# Altium PCB batt_ctrl_pcb_v3.2.PcbDoc
Units mm, origin at the board's own origin, x right, y up, seen from the top; angles counter-clockwise.
Board outline 70 x 60 mm, 2 copper layers (Top Layer, Bottom Layer); 126 components, 117 nets, 384 pads, 182 vias.
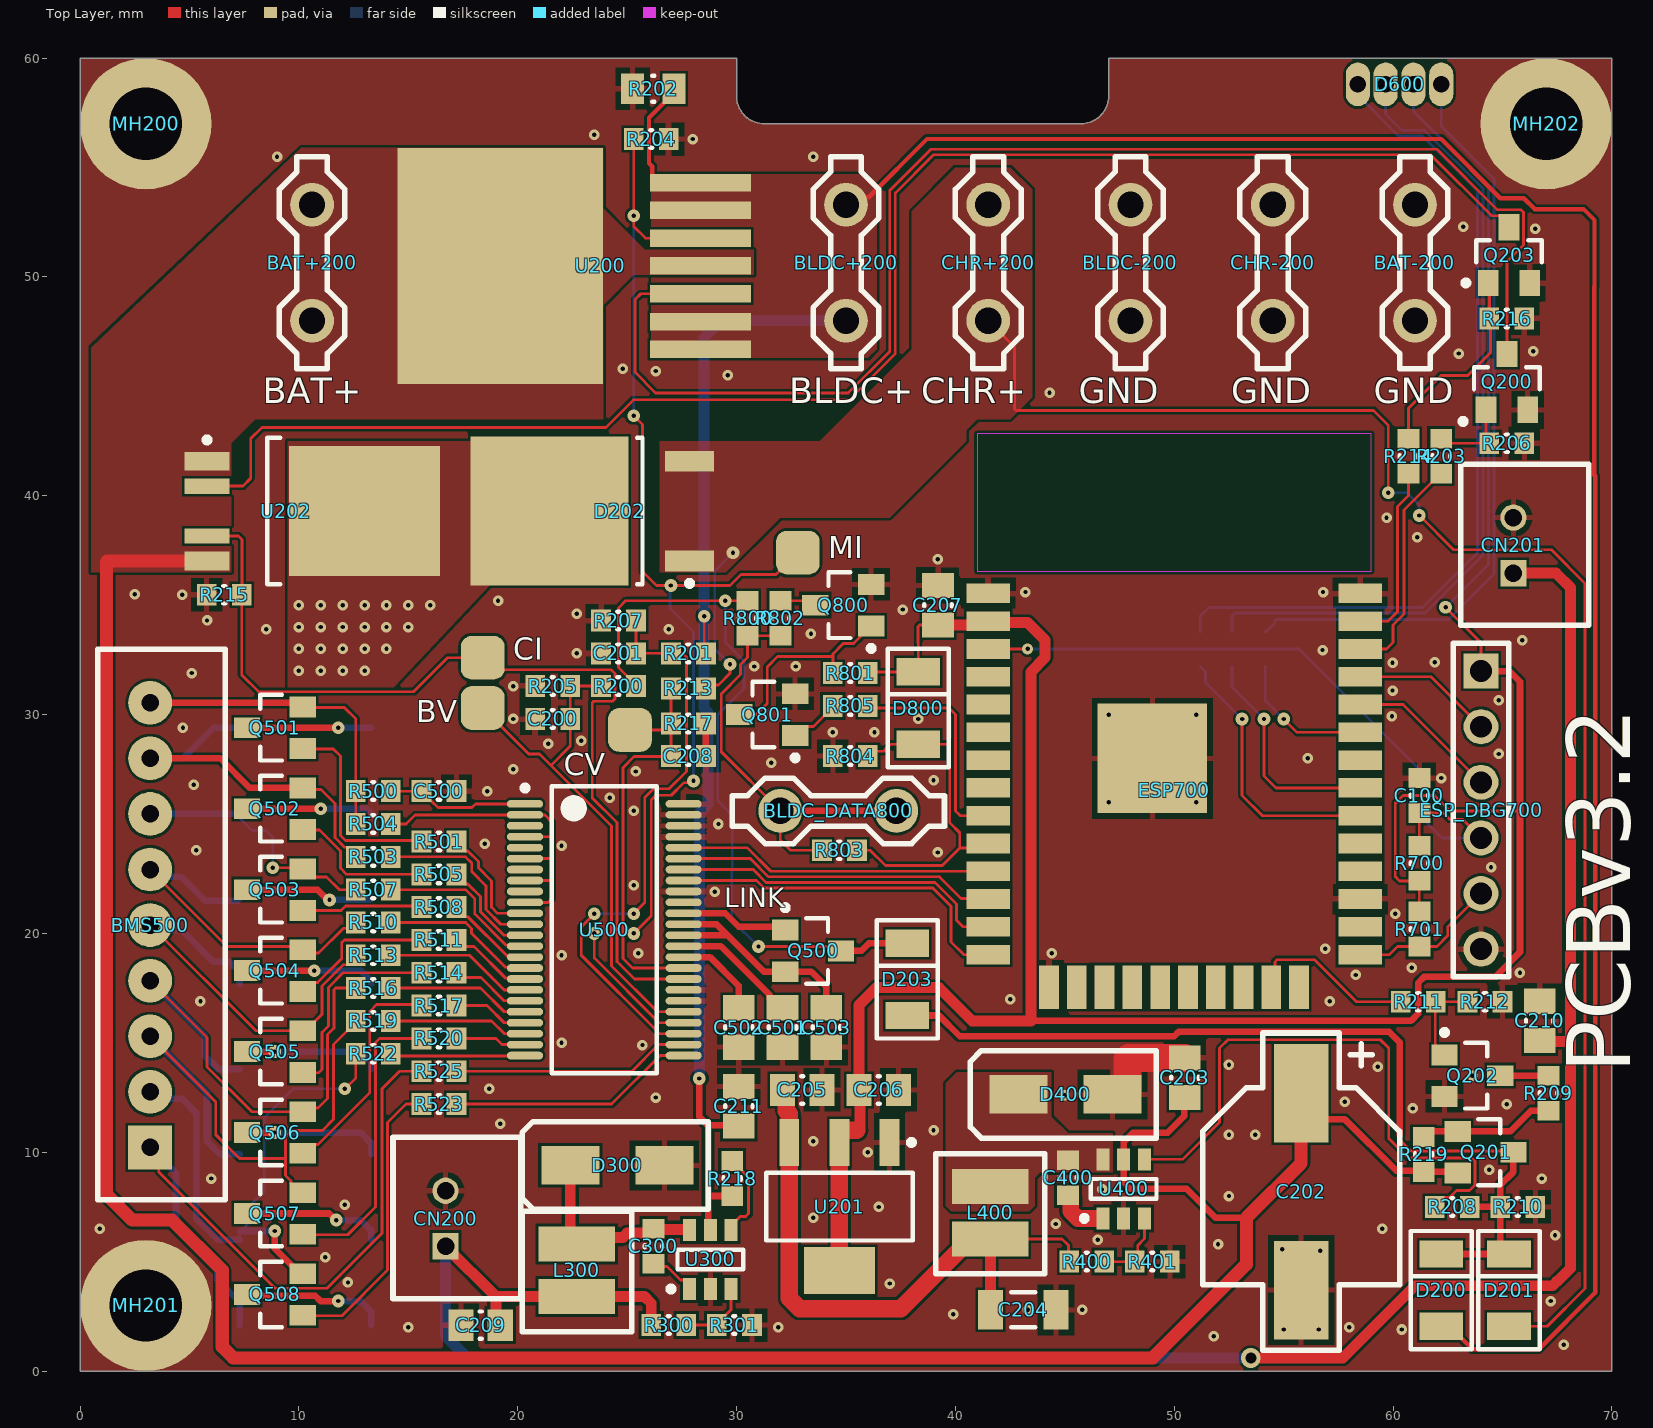
[diagram p0: Top Layer view]
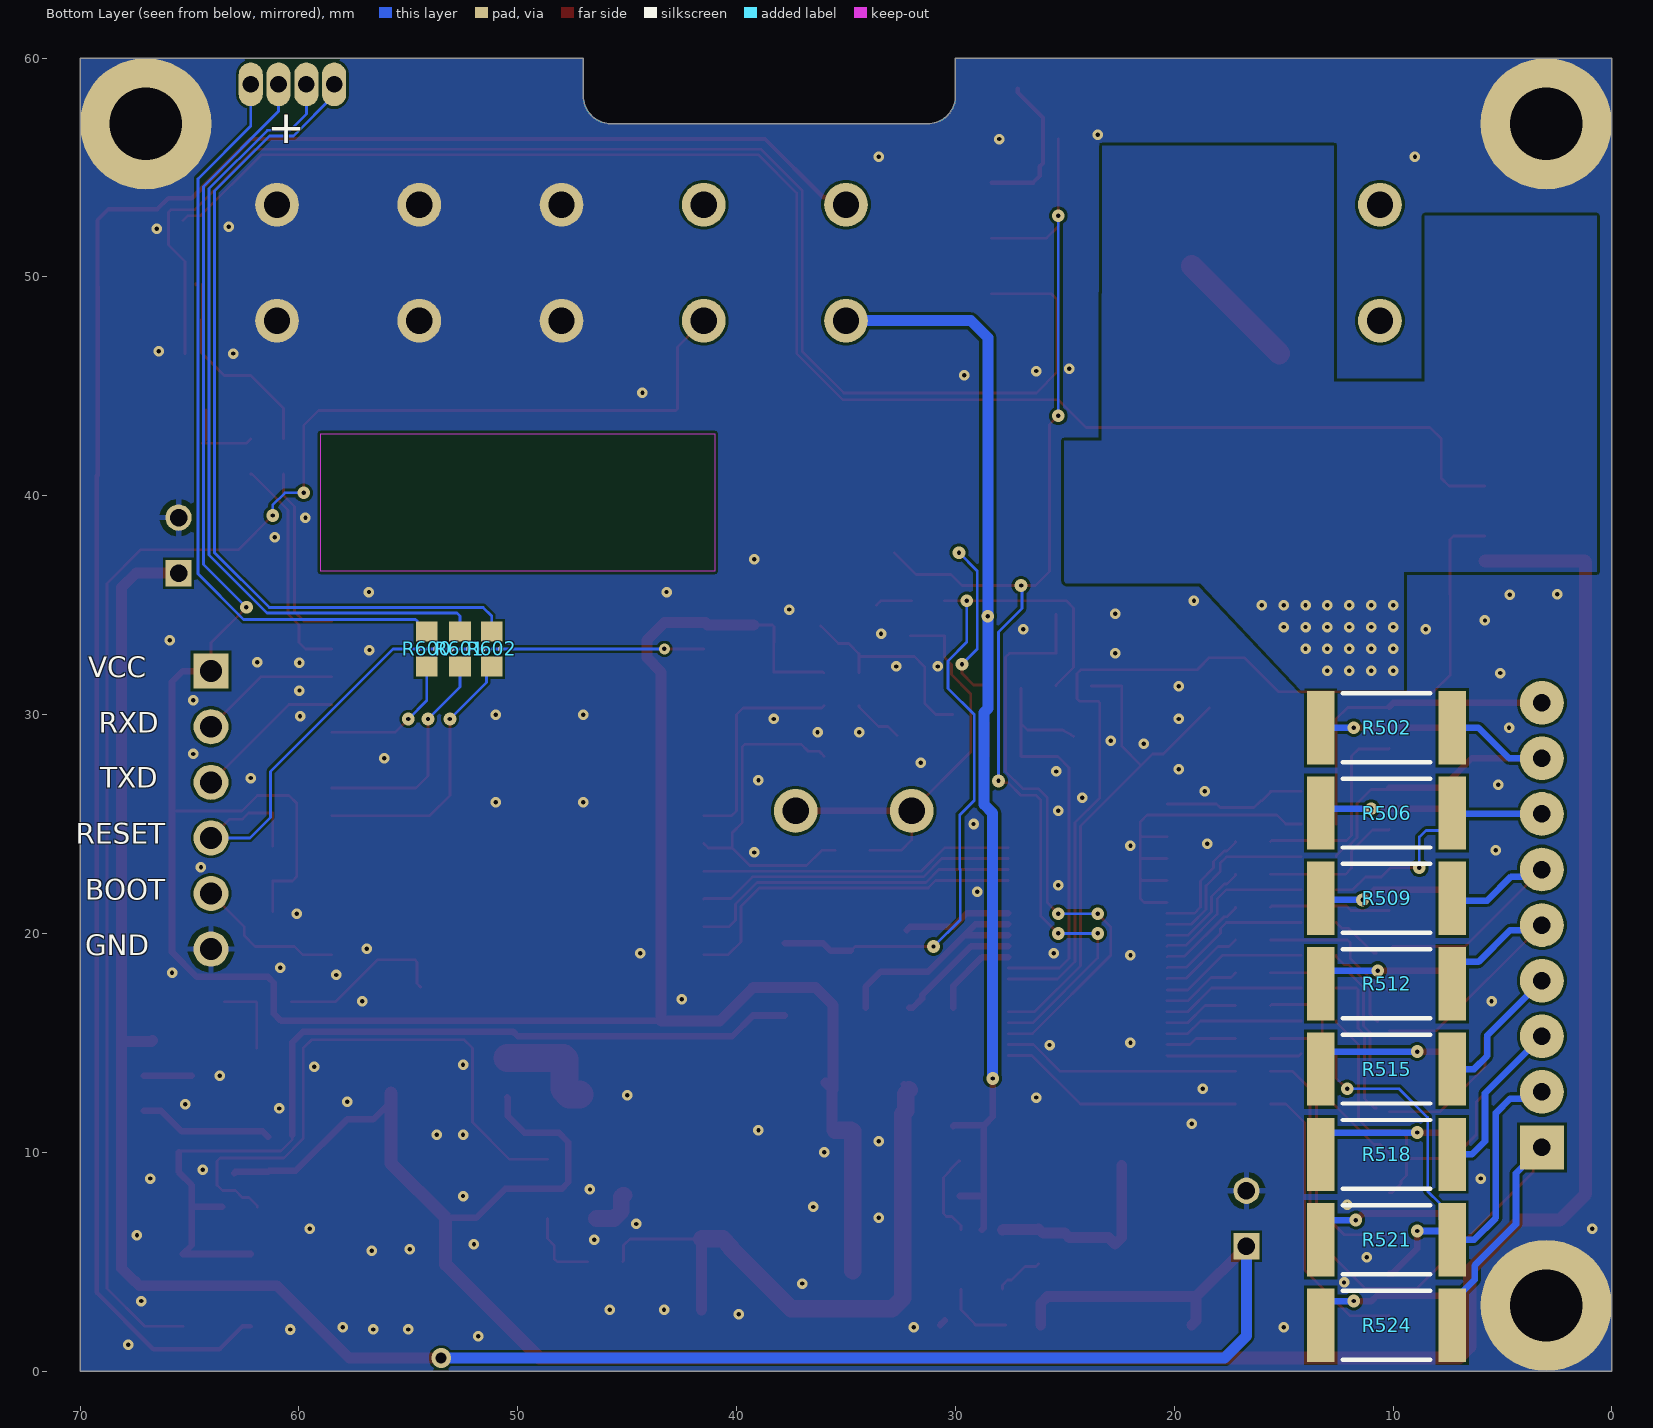
[diagram p1: Bottom Layer view, seen from below]

## Layer stack, top to bottom
Top Solder: solder mask 0.0102, Solder Resist, Dk 3.5
Top Layer: signal copper 0.0356
Dielectric 1: dielectric 0.32, FR-4, Dk 4.8
Bottom Layer: signal copper 0.0356
Bottom Solder: solder mask 0.0102, Solder Resist, Dk 3.5

## Board outline
0,0 0,60 30,60 30,58.27 ccw(c31.27,58.27) 31.27,57 45.73,57 ccw(c45.73,58.27) 47,58.27 47,60 70,60 70,0

## Design rules (kind name [scope] priority, off if disabled: settings)
Clearance [All] p1: gap=0.127 ignorepadtopadclearanceinfootprint=FALSE
DiffPairsRouting [All] p1: maxlimit=0.254 minlimit=0.127 mostfreqgap=0.254 toplayer_minwidth=0.127 toplayer_maxwidth=0.381 toplayer_prefwidth=0.381 bottomlayer_minwidth=0.127 bottomlayer_maxwidth=0.381 bottomlayer_prefwidth=0.381 maxuncoupledlength=12.7
HoleSize [All] p1: absolutevalues=TRUE maxlimit=6.3 minlimit=0.2 maxpercent=80.000 minpercent=20.000
HoleToHoleClearance [All] p1: gap=0.25 allowstackedmicrovias=TRUE
MinimumAnnularRing [All] p1: minimumring=0.13
MinimumSolderMaskSliver [All] p1: minsoldermaskwidth=0.05
PlaneClearance [All] p1: clearance=0.3
PlaneConnect Direct [IsVia] p1: planeconnectstyle=Direct reliefexpansion=0.508 reliefentries=4 reliefconductorwidth=0.254 reliefairgap=0.254
PlaneConnect [All] p2: planeconnectstyle=Relief reliefexpansion=0.508 reliefentries=4 reliefconductorwidth=0.254 reliefairgap=0.254
PolygonConnect DirectPolygonConnect [InNetClass('Direct') or IsVia or (CompParameterValue('ClassName')='DirectGND')] p1: connectstyle=Direct reliefconductorwidth=0.254 reliefentries=4 polygonreliefangle="90 Angle" airgapwidth=0.254
PolygonConnect Mainrule [All] p2: connectstyle=Relief reliefconductorwidth=0.254 reliefentries=4 polygonreliefangle="90 Angle" airgapwidth=0.254
RoutingVias [All] p1: holewidth=0.3 width=0.9 viastyle="Through Hole" minholewidth=0.2 minwidth=0.58 maxholewidth=6.3 maxwidth=8
SilkToSilkClearance [All] p1: silktosilkclearance=0.2
SilkToSolderMaskClearance [IsPad] p1: minsilkscreentomaskgap=0.15 clearancetoexposedcopper=TRUE
SolderMaskExpansion [All] p1: expansion=0.05 istentingtop=FALSE
UnRoutedNet [All] p1: checkbadconnections=TRUE
Width [All] p1: maxlimit=5 minlimit=0.127 preferedwidth=0.3
21 further rules are at their usual default settings.

## Classes and differential pairs
component class U_LTC6804-2_8S+TR: BMS500 C500 C501 C502 C503 Q500 Q501 Q502 Q503 Q504 Q505 Q506 Q507 Q508 R500 R501 R502 R503 R504 R505 R506 R507 R508 R509 R510 R511 R512 R513 R514 R515 R516 R517 R518 R519 R520 R521 R522 R523 R524 R525 U500
component class top_sheet: C100
component class Indication: D600 R600 R601 R602
net class HV: BATT_POS BLDC_POS CHR_POS CHR_SUP
component class interface: BLDC_DATA800 D800 Q800 Q801 R800 R801 R802 R803 R804 R805
channel class ME3116_5V: U_ME3116_5V1 U_ME3116_5V2
component class U_ME3116_5V1: C300 D300 L300 R300 R301 U300
component class Power: BAT+200 BAT-200 BLDC+200 BLDC-200 C200 C201 C202 C203 C204 C205 C206 C207 C208 C209 C210 C211 CHR+200 CHR-200 CN200 CN201 D200 D201 D202 D203 D? MH200 MH201 MH202 Q200 Q201 Q202 Q203 Q? R200 R201 R202 R203 R204 R205 R206 R207 R208 R209 R210 R211 R212 R213 R214 R215 R216 R217 R218 R219 R?1 U200 U201 U202
net class Direct: BATT_POS BLDC_POS CHR_POS CHR_SUP U_ME3116_5V1_BS U_ME3116_5V1_SW U_ME3116_5V2_BS U_ME3116_5V2_SW
component class U_ME3116_5V2: C400 D400 L400 R400 R401 U400
component class U_ESP32_WROOM2: ESP700 ESP_DBG700 R700 R701

## Components (designator, comment, footprint, x,y, rotation, side; value= is the part's Value field where it differs from the comment)
BAT+200 "Crimp 6.3 single PCB" "Crimp 6.3mm single PCB" 10,45.8 r0 top (schematic designator BAT+)
BAT-200 "Crimp 6.3 single PCB" "Crimp 6.3mm single PCB" 61.6,55.5 r180 top (schematic designator BAT-)
BLDC+200 "Crimp 6.3 single PCB" "Crimp 6.3mm single PCB" 34.4,45.8 r0 top (schematic designator BLDC+)
BLDC-200 "Crimp 6.3 single PCB" "Crimp 6.3mm single PCB" 48.6,55.5 r180 top (schematic designator BLDC-)
BLDC_DATA800 "Crimp 6.3 single PCB" "Crimp 6.3mm single PCB" 29.8,26.2 r270 top (schematic designator BLDC_DATA)
BMS500 "PIN HEADER 1x9" "XH2.54 9P" 3.2,10.22 r180 top (schematic designator BMS)
C100 "100n" CAPC0603(1608)55_N 61.2,26.3 r90 top
C200 "100n" CAPC0603(1608)55_N 21.6,29.8 r180 top
C201 "100n" CAPC0603(1608)55_N 24.6,32.8 r180 top
C202 "220uF 35V" "10X10.5 CAPACITOR" 55.8,12.7 r270 top
C203 "6u8" CAPC0805(2012)75_N 50.482,13.406 r270 top
C204 "100u" CAPC1206(3216)75_N 43.1,2.8 r0 top
C205 "6u8" CAPC0805(2012)75_N 33,12.85 r0 top
C206 "6u8" CAPC0805(2012)75_N 36.5,12.85 r0 top
C207 "6u8" CAPC0805(2012)75_N 39.2,35 r90 top
C208 "100n" CAPC0603(1608)55_N 27.8,28.1 r0 top
C209 "6u8" CAPC0805(2012)75_N 18.3,2.1 r180 top
C210 "6u8" CAPC0805(2012)75_N 66.7,16 r90 top
C211 "6u8" CAPC0805(2012)75_N 30.1,12.1 r90 top
C300 "100n" CAPC0603(1608)55_N 26.2,5.7 r90 top value=100p (schematic designator C1)
C400 "100n" CAPC0603(1608)55_N 45.148,8.834 r90 top value=100p (schematic designator C1)
C500 "100n" CAPC0603(1608)55_N 16.4,26.5 r0 top (schematic designator C1)
C501 "1u" CAPC0805(2012)75_N 32.1,15.7 r270 top (schematic designator C2)
C502 "1u" CAPC0805(2012)75_N 30.1,15.7 r270 top (schematic designator C3)
C503 "1u" CAPC0805(2012)75_N 34.1,15.7 r270 top (schematic designator C4)
CHR+200 "Crimp 6.3 single PCB" "Crimp 6.3mm single PCB" 40.9,45.8 r0 top (schematic designator CHR+)
CHR-200 "Crimp 6.3 single PCB" "Crimp 6.3mm single PCB" 55.1,55.5 r180 top (schematic designator CHR-)
CN200 "PIN HEADER 1x2" "XH2.54 2P" 16.7,5.7 r180 top
CN201 "PIN HEADER 1x2" "XH2.54 2P" 65.5,36.46 r180 top
D200 "1N4148" SOD80 62.2,3.7 r90 top
D201 "1N4148" SOD80 65.3,3.7 r90 top
D202 "45V 10A" DPAK 23.4,39.3 r180 top
D203 "1N4148" SOD80 37.8,17.9 r90 top
D300 "SS14" SMA 26.7,9.4 r180 top (schematic designator D1)
D400 "SS14" SMA 47.18,12.644 r180 top (schematic designator D1)
D600 "Generic RGB led" "RGB THROU HOLE 90 DEG" 62.2,58.8 r90 top locked (schematic designator D400)
D800 "1N4148" SOD80 38.3,30.3 r90 top (schematic designator D300)
ESP700 "ESP32" ESP32-WROOM 41.5,35.54 r0 top locked (schematic designator ESP1)
ESP_DBG700 "PIN HEADER 1x6" "PIN HEADER SINGLE 6" 64.018,31.984 r0 top locked (schematic designator ESP_DBG)
L300 "4u7" CD32 22.7,5.8 r270 top (schematic designator L1)
L400 "4u7" CD32 41.592,8.44 r270 top (schematic designator L1)
MH200 "Mounting Hole" MH_M3 3,57 r0 top
MH201 "Mounting Hole" MH_M3 3,3 r0 top
MH202 "Mounting Hole" MH_M3 67,57 r0 top
Q200 "MMBT3904" SOT23 65.2,45.2 r90 top
Q201 "MMBT3906" SOT23 64.225,10 r0 top
Q202 "MMBT3904" SOT23 63.625,13.5 r0 top
Q203 "MMBT3904" SOT23 65.3,51 r90 top
Q500 "MMBT3904" SOT23 33.5,19.2 r0 top (schematic designator Q9)
Q501 "BSS308PE" SOT23 8.9,29.4 r180 top (schematic designator Q8)
Q502 "BSS308PE" SOT23 8.9,25.7 r180 top (schematic designator Q7)
Q503 "BSS308PE" SOT23 8.9,22 r180 top (schematic designator Q6)
Q504 "BSS308PE" SOT23 8.9,18.3 r180 top (schematic designator Q5)
Q505 "BSS308PE" SOT23 8.9,14.6 r180 top (schematic designator Q4)
Q506 "BSS308PE" SOT23 8.9,10.9 r180 top (schematic designator Q3)
Q507 "BSS308PE" SOT23 8.9,7.2 r180 top (schematic designator Q2)
Q508 "BSS308PE" SOT23 8.9,3.5 r180 top (schematic designator Q1)
Q800 "MMBT3904" SOT23 34.875,35 r180 top (schematic designator Q300)
Q801 "MMBT3904" SOT23 31.4,30 r180 top (schematic designator Q301)
R200 "100k 1%" RESC0603(1608)_N 24.6,31.3 r0 top
R201 "100k 1%" RESC0603(1608)_N 27.8,32.8 r0 top
R202 "10k" RESC0805(2012)_N 26.2,58.6 r0 top
R203 "1k" RESC0603(1608)_N 62.2,41.8 r90 top
R204 "1k 1%" RESC0603(1608)_N 26.1,56.3 r180 top
R205 "10k 1%" RESC0603(1608)_N 21.6,31.3 r0 top
R206 "1k" RESC0603(1608)_N 65.2,42.4 r180 top
R207 "10k 1%" RESC0603(1608)_N 24.6,34.296 r0 top
R208 "10k" RESC0603(1608)_N 62.7,7.5 r0 top
R209 "10k" RESC0603(1608)_N 67.1,12.7 r90 top
R210 "10k" RESC0603(1608)_N 65.7,7.5 r0 top
R211 "1k" RESC0603(1608)_N 61.15,16.876 r0 top
R212 "1k" RESC0603(1608)_N 64.2,16.876 r180 top
R213 "10k 1%" RESC0603(1608)_N 27.8,31.2 r0 top
R214 "1k" RESC0603(1608)_N 60.7,41.8 r90 top
R215 "1k 1%" RESC0603(1608)_N 6.585,35.475 r0 top
R216 "1k" RESC0603(1608)_N 65.2,48.1 r180 top
R217 "1k 1%" RESC0603(1608)_N 27.8,29.6 r180 top
R218 "10k" RESC0603(1608)_N 29.8,8.8 r270 top
R219 "1k" RESC0603(1608)_N 61.4,9.9 r270 top
R300 "56k" RESC0603(1608)_N 26.9,2.1 r180 top (schematic designator R1)
R301 "10k" RESC0603(1608)_N 29.9,2.1 r180 top (schematic designator R2)
R400 "56k" RESC0603(1608)_N 46,5 r180 top (schematic designator R1)
R401 "10k" RESC0603(1608)_N 49,5 r180 top (schematic designator R2)
R500 "100" RESC0603(1608)_N 13.4,26.5 r0 top (schematic designator R26)
R501 "10k" RESC0603(1608)_N 16.4,24.2 r0 top (schematic designator R24)
R502 "12" RESC2512(6432)_N 10.3,29.4 r0 bottom (schematic designator R8)
R503 "100" RESC0603(1608)_N 13.4,23.5 r0 top (schematic designator R23)
R504 "100" RESC0603(1608)_N 13.4,25 r0 top (schematic designator R25)
R505 "10k" RESC0603(1608)_N 16.4,22.7 r0 top (schematic designator R22)
R506 "12" RESC2512(6432)_N 10.3,25.5 r0 bottom (schematic designator R7)
R507 "100" RESC0603(1608)_N 13.4,22 r0 top (schematic designator R21)
R508 "10k" RESC0603(1608)_N 16.4,21.2 r0 top (schematic designator R20)
R509 "12" RESC2512(6432)_N 10.3,21.6 r0 bottom (schematic designator R6)
R510 "100" RESC0603(1608)_N 13.4,20.5 r0 top (schematic designator R19)
R511 "10k" RESC0603(1608)_N 16.4,19.7 r0 top (schematic designator R18)
R512 "12" RESC2512(6432)_N 10.3,17.7 r0 bottom (schematic designator R5)
R513 "100" RESC0603(1608)_N 13.4,19 r0 top (schematic designator R17)
R514 "10k" RESC0603(1608)_N 16.4,18.2 r0 top (schematic designator R16)
R515 "12" RESC2512(6432)_N 10.3,13.8 r0 bottom (schematic designator R4)
R516 "100" RESC0603(1608)_N 13.4,17.5 r0 top (schematic designator R15)
R517 "10k" RESC0603(1608)_N 16.4,16.7 r0 top (schematic designator R14)
R518 "12" RESC2512(6432)_N 10.3,9.9 r0 bottom (schematic designator R3)
R519 "100" RESC0603(1608)_N 13.4,16 r0 top (schematic designator R13)
R520 "10k" RESC0603(1608)_N 16.4,15.2 r0 top (schematic designator R12)
R521 "12" RESC2512(6432)_N 10.3,6 r0 bottom (schematic designator R2)
R522 "100" RESC0603(1608)_N 13.4,14.5 r0 top (schematic designator R11)
R523 "10k" RESC0603(1608)_N 16.4,12.2 r0 top (schematic designator R10)
R524 "12" RESC2512(6432)_N 10.3,2.1 r0 bottom (schematic designator R1)
R525 "100" RESC0603(1608)_N 16.4,13.7 r0 top (schematic designator R9)
R600 "330" RESC0603(1608)_N 54.16,33 r270 bottom (schematic designator R400)
R601 "330" RESC0603(1608)_N 52.64,33 r270 bottom (schematic designator R401)
R602 "330" RESC0603(1608)_N 51.188,33 r270 bottom (schematic designator R402)
R700 "10k" RESC0603(1608)_N 61.2,23.2 r90 top (schematic designator R1)
R701 "1k" RESC0603(1608)_N 61.2,20.2 r270 top (schematic designator R2)
R800 "4k7" RESC0603(1608)_N 30.5,34.4 r90 top (schematic designator R300)
R801 "1k" RESC0603(1608)_N 35.2,31.9 r0 top (schematic designator R301)
R802 "10" RESC0603(1608)_N 32,34.4 r270 top (schematic designator R302)
R803 "390k" RESC0603(1608)_N 34.7,23.8 r180 top (schematic designator R303)
R804 "47k" RESC0603(1608)_N 35.2,28.1 r0 top (schematic designator R304)
R805 "1k" RESC0603(1608)_N 35.2,30.4 r180 top (schematic designator R305)
U200 "BTS50085" PG-TO220-7-4 19.2,50.5 r90 top locked
U201 "AMS1117-3V3" SOT229P700X180-4N 34.7,7.52 r270 top
U202 "BTS6143D" ITO252-5-11_M 10.6,39.3 r0 top
U300 "ME3116" SOT23-6 28.8,5.1 r90 top (schematic designator U2)
U400 "ME3116" SOT23-6 47.688,8.326 r90 top (schematic designator U2)
U500 "LTC6804-2" SSOP48 23.956,20.168 r0 top locked (schematic designator U1)

## Footprints (in the part's own frame and the unit in brackets; to place one, negate y for a bottom-side part, rotate by r counter-clockwise, add the part's x,y. Pads: shape width x height; smd on the part's side, far side on the other; paste and mask are expansions set on the pad)
"10X10.5 CAPACITOR" [mm]
  rect 4.5x2.5 smd: +(0,0) -(9,0)
  silkscreen extent -2.75,-4.5 11.75,4.5, body extent -0.7,-4.15 9.2,4.15, height 10.2
CAPC0603(1608)55_N [mm] "Chip Capacitor, Body 1.6x0.8mm, Height 0.55mm, IPC Medium Density"
  rect 0.9x1 smd: 1(-0.8,0) 2(0.8,0)
  silkscreen extent -0.05,-0.4 0.05,0.4, body extent -0.87,-0.48 0.88,0.47, height 0.55
CAPC0805(2012)75_N [mm] "Chip Capacitor, Body 2.0x1.2mm, Height 0.75mm, IPC Medium Density"
  rect 1.15x1.45 smd: 1(-0.9,0) 2(0.9,0)
  silkscreen extent -0.05,-0.62 0.05,0.63, body extent -1.1,-0.72 1.1,0.73, height 0.75
CAPC1206(3216)75_N [mm] "Chip Capacitor, Body 3.2x1.6mm, Height 0.75mm, IPC Medium Density"
  rect 1.15x1.8 smd: 1(-1.5,0) 2(1.5,0)
  silkscreen extent -0.55,-0.8 0.55,0.8, body extent -1.7,-0.9 1.7,0.9, height 0.75
CD32 [mm] "SMD inductor"
  rect 1.6x3.5 smd: 1(0,0) 2(2.4,0)
  silkscreen extent -1.5,-2.5 4,2.5, body extent -0.45,-1.5 2.85,1.5, height 2.1
"Crimp 6.3mm single PCB" [mm]
  round 2 hole 1.2: 1(0.6,2.2) 1(0.6,7.5)
  silkscreen extent -0.9,0 2.1,9.7, body extent 0.2,0.8 1,8.8, height 11
DPAK [mm] "D-PAK, 3-Pads, Body 6,15x6,72mm (max), IPC Medium Density"
  rect 2.25x0.95 smd: 1(-4.45,2.28) 3(-4.45,-2.28)
  rect 7.2x6.8 smd: 2(1.95,0)
  silkscreen extent -4.57,-3.35 -2.05,3.43, body extent -4.81,-3.27 5.13,3.27, height 2.44
ESP32-WROOM [mm] "ESP32-WROOM-32 is a powerful, generic Wi-Fi+BT+BLE MCU module"
  rect 2x0.9 smd: 1(0,0) 2(0,-1.27) 3(0,-2.54) 4(0,-3.81) 5(0,-5.08) 6(0,-6.35) 7(0,-7.62) 8(0,-8.89) 9(0,-10.16) 10(0,-11.43) 11(0,-12.7) 12(0,-13.97) 13(0,-15.24) 14(0,-16.51) 25(17,-16.51) 26(17,-15.24) 27(17,-13.97) 28(17,-12.7) 29(17,-11.43) 30(17,-10.16) 31(17,-8.89) 32(17,-7.62) 33(17,-6.35) 34(17,-5.08) 35(17,-3.81) 36(17,-2.54) 37(17,-1.27) 38(17,0)
  rect 0.9x2 smd: 15(2.775,-18) 16(4.045,-18) 17(5.315,-18) 18(6.585,-18) 19(7.855,-18) 20(9.125,-18) 21(10.395,-18) 22(11.665,-18) 23(12.935,-18) 24(14.205,-18)
  rect 5x5 smd: 39(7.5,-7.54)
  Keep-Out Layer region: -0.5,1 17.5,1 17.5,7.3 -0.5,7.3
  body extent -0.5,-18.05 17.5,7.45, height 2.91
ITO252-5-11_M [mm] "DPAK, 5-Leads, Body 6.5x6.12mm, Pitch 1.14mm, IPC Low Density"
  rect 2.05x0.85 smd: 1(-4.8,2.28) 5(-4.8,-2.28)
  rect 2.05x0.7 smd: 2(-4.8,1.14) 4(-4.8,-1.14)
  rect 6.9x5.95 smd: 3(2.4,0)
  silkscreen extent -4.92,-3.35 -1.45,3.38, body extent -4.7,-3.25 5.2,3.25, height 2.3
MH_M3 [mm] "Mount hole M3"
  round 6 hole 3.3: 1(0,0)
PG-TO220-7-4 [mm]
  rect 0.8x4.6 smd: 1(-3.81,-9.15) 2(-2.54,-9.15) 3(-1.27,-9.15) 4(0,-9.15) 5(1.27,-9.15) 6(2.54,-9.15) 7(3.81,-9.15)
  rect 10.8x9.4 smd: 8(0,0)
"PIN HEADER SINGLE 6" [mm]
  rect 1.6x1.6 hole 1: 1(0,0)
  round 1.6 hole 1: 2(0,-2.54) 3(0,-5.08) 4(0,-7.62) 5(0,-10.16) 6(0,-12.7)
  silkscreen extent -1.27,-13.97 1.27,1.27, body extent -1.27,-13.97 1.27,1.27, height 8.19
RESC0603(1608)_N [mm] "Chip Resistor, Body 1.6x0.8mm, IPC Medium Density"
  rect 0.9x1 smd: 1(-0.8,0) 2(0.8,0)
  silkscreen extent -0.05,-0.4 0.05,0.4, body extent -0.85,-0.47 0.85,0.47, height 0.6
RESC0805(2012)_N [mm] "Chip Resistor, Body 2.0x1.3mm, IPC Medium Density"
  rect 1.05x1.4 smd: 1(-0.95,0) 2(0.95,0)
  silkscreen extent -0.05,-0.6 0.05,0.6, body extent -1.1,-0.67 1.1,0.68, height 0.7
RESC2512(6432)_N [mm] "Chip Resistor, Body 6.4x3.2mm, IPC Medium Density"
  rect 1.25x3.35 smd: 1(-3,0) 2(3,0)
  silkscreen extent -2,-1.57 2,1.58, body extent -3.13,-1.58 3.17,1.57, height 0.62
"RGB THROU HOLE 90 DEG" [mm]
  oval 2x1.1 hole 0.762: BC(0,3.81) CA(0,1.27) GC(0,2.54) RC(0,0)
  body extent -3,-20.69 3,4.16, height 9.6
SMA [mm] "SMA Diode"
  rect 2.65x1.75 smd: A(0,0) K(4.3,0)
  silkscreen extent -2,-2 6.5,2, body extent -0.53,-1.46 4.75,1.46, height 2.41
SOD80 [mm]
  rect 1.25x2 smd: 1(-1.651,0) 2(1.651,0)
  silkscreen extent -2.7,-1.4 2.7,1.4, body extent -1.84,-0.8 1.86,0.8, height 1.61
SOT23 [mm] "SOT23, 3-Leads, Body 2,90x2,80mm, Pitch 0,95mm, IPC Medium Density"
  rect 1.2x0.95 smd: 1(-1.275,0.95) 2(-1.275,-0.95) 3(1.275,0)
  silkscreen extent -1.92,-1.5 0.67,2.12, body extent -1.13,-1.5 1.13,1.5, height 1.25
SOT23-6 [mm] "SOT23, 6-Leads, Body 2,90x2,80mm, Pitch 0,95mm, IPC Medium Density"
  rect 1x0.6 smd: 1(-1.35,0.95) 2(-1.35,0) 3(-1.35,-0.95) 4(1.35,-0.95) 5(1.35,0) 6(1.35,0.95)
  silkscreen extent -1.47,-1.5 0.45,1.92, body extent -1.4,-1.45 1.4,1.45, height 1.45
SOT229P700X180-4N [mm] "SOT223, 4-Leads, Body 6,50x7,00mm (avg), Pitch 2,29mm, IPC Medium Density"
  rect 2.15x0.9 smd: 1(-2.93,2.29) 2(-2.93,0) 3(-2.93,-2.29)
  rect 2.15x3.25 smd: 4(2.93,0)
  silkscreen extent -3.05,-3.35 1.55,3.42, body extent -3.54,-3.25 3.54,3.25, height 1.65
SSOP48 [mm] "48-Lead Plastic SSOP (5.3mm)"
  oval 1.65x0.35 smd: 1(-3.625,5.75) 2(-3.625,5.25) 3(-3.625,4.75) 4(-3.625,4.25) 5(-3.625,3.75) 6(-3.625,3.25) 7(-3.625,2.75) 8(-3.625,2.25) 9(-3.625,1.75) 10(-3.625,1.25) 11(-3.625,0.75) 12(-3.625,0.25) 13(-3.625,-0.25) 14(-3.625,-0.75) 15(-3.625,-1.25) 16(-3.625,-1.75) 17(-3.625,-2.25) 18(-3.625,-2.75) 19(-3.625,-3.25) 20(-3.625,-3.75) 21(-3.625,-4.25) 22(-3.625,-4.75) 23(-3.625,-5.25) 24(-3.625,-5.75) 25(3.625,-5.75) 26(3.625,-5.25) 27(3.625,-4.75) 28(3.625,-4.25) 29(3.625,-3.75) 30(3.625,-3.25) 31(3.625,-2.75) 32(3.625,-2.25) 33(3.625,-1.75) 34(3.625,-1.25) 35(3.625,-0.75) 36(3.625,-0.25) 37(3.625,0.25) 38(3.625,0.75) 39(3.625,1.25) 40(3.625,1.75) 41(3.625,2.25) 42(3.625,2.75) 43(3.625,3.25) 44(3.625,3.75) 45(3.625,4.25) 46(3.625,4.75) 47(3.625,5.25) 48(3.625,5.75)
  silkscreen extent -3.75,-6.55 2.4,6.6, body extent -3.9,-6.55 3.9,6.55, height 2
"XH2.54 2P" [mm]
  rect 1.2x1.2 hole 0.8: 1(0,0)
  round 1.2 hole 0.8: 2(0,-2.54)
  silkscreen extent -3.44,-4.98 2.4,2.39, body extent -3.35,-4.88 2.49,2.34, height 7.21
"XH2.54 9P" [mm]
  rect 2x2 hole 0.8: 1(0,0)
  round 2 hole 0.8: 2(0,-2.54) 3(0,-5.08) 4(0,-7.62) 5(0,-10.16) 6(0,-12.7) 7(0,-15.24) 8(0,-17.78) 9(0,-20.32)
  silkscreen extent -3.44,-22.76 2.4,2.39, body extent -3.35,-22.66 2.49,2.34, height 7.21
